# Altium PCB 0416.PcbDoc (part 1 of 3)
Units mm, origin at the board's own origin, x right, y up, seen from the top; angles counter-clockwise.
Board outline 152.4 x 49.85 mm, 4 copper layers (Top Layer, Signal Layer 2, Signal Layer 1, Bottom Layer), stack 0.778 mm thick; 259 components, 302 nets, 1185 pads, 479 vias.
Unrouted connection lines stored in the file: 71.
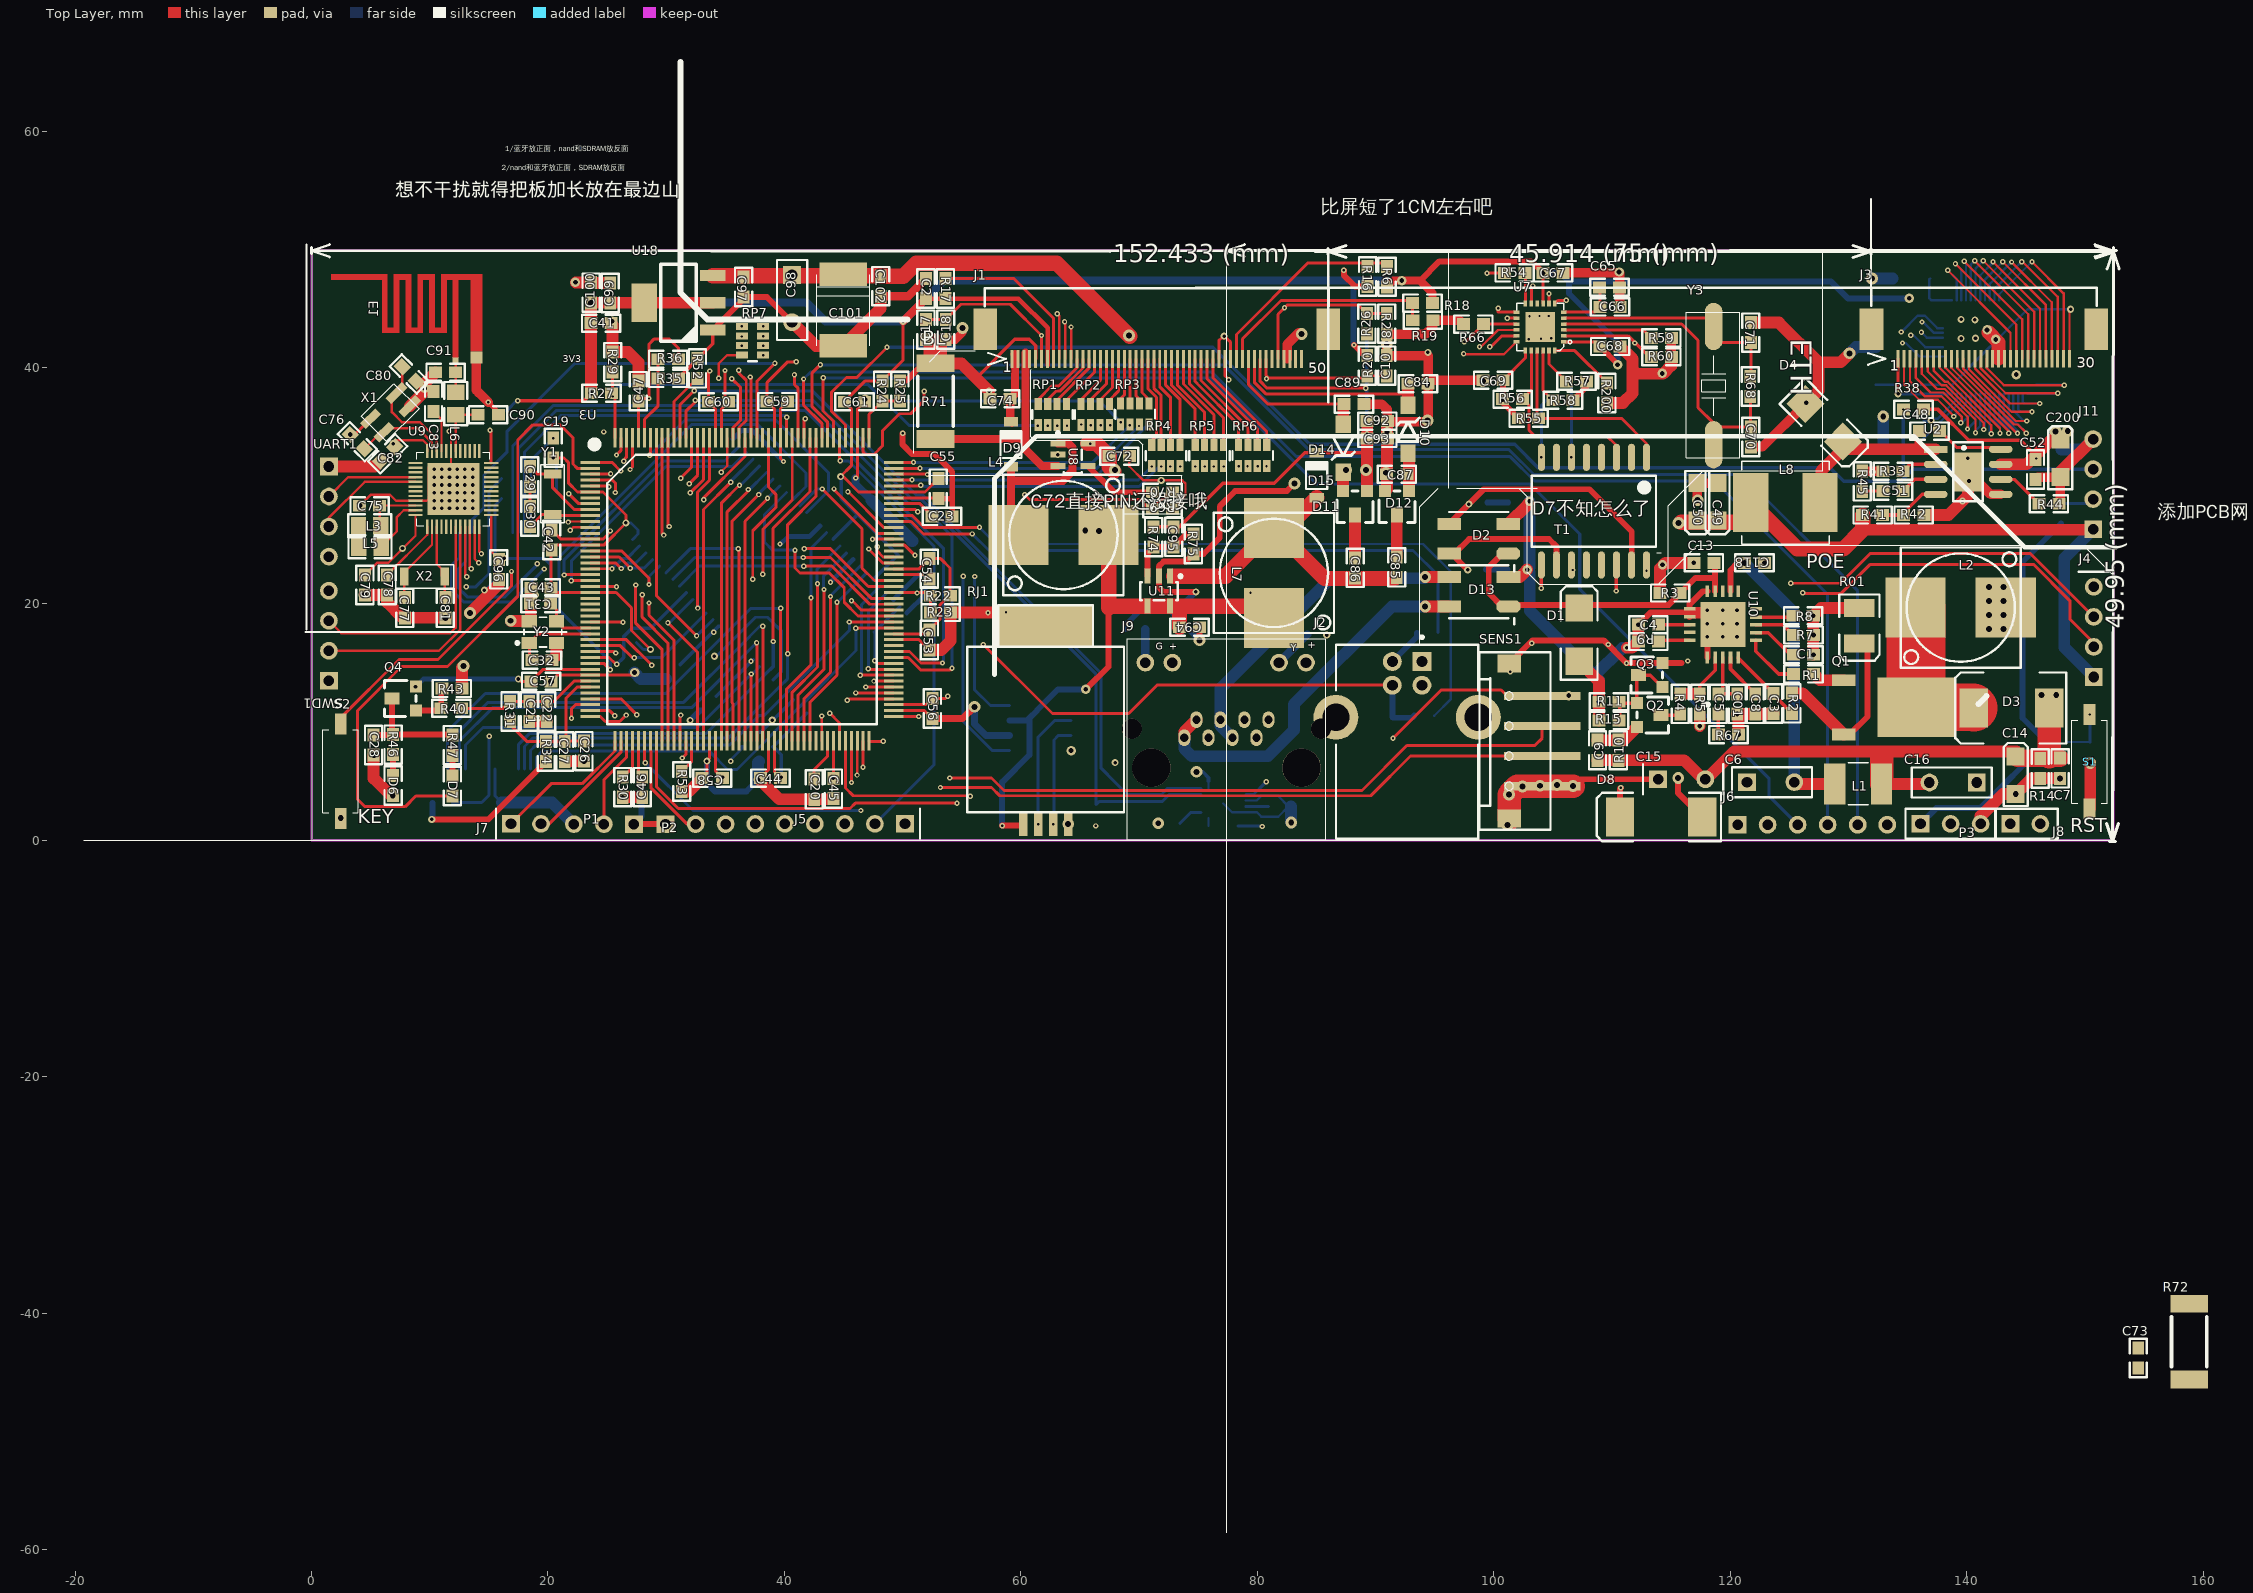
[diagram p0: Top Layer view]
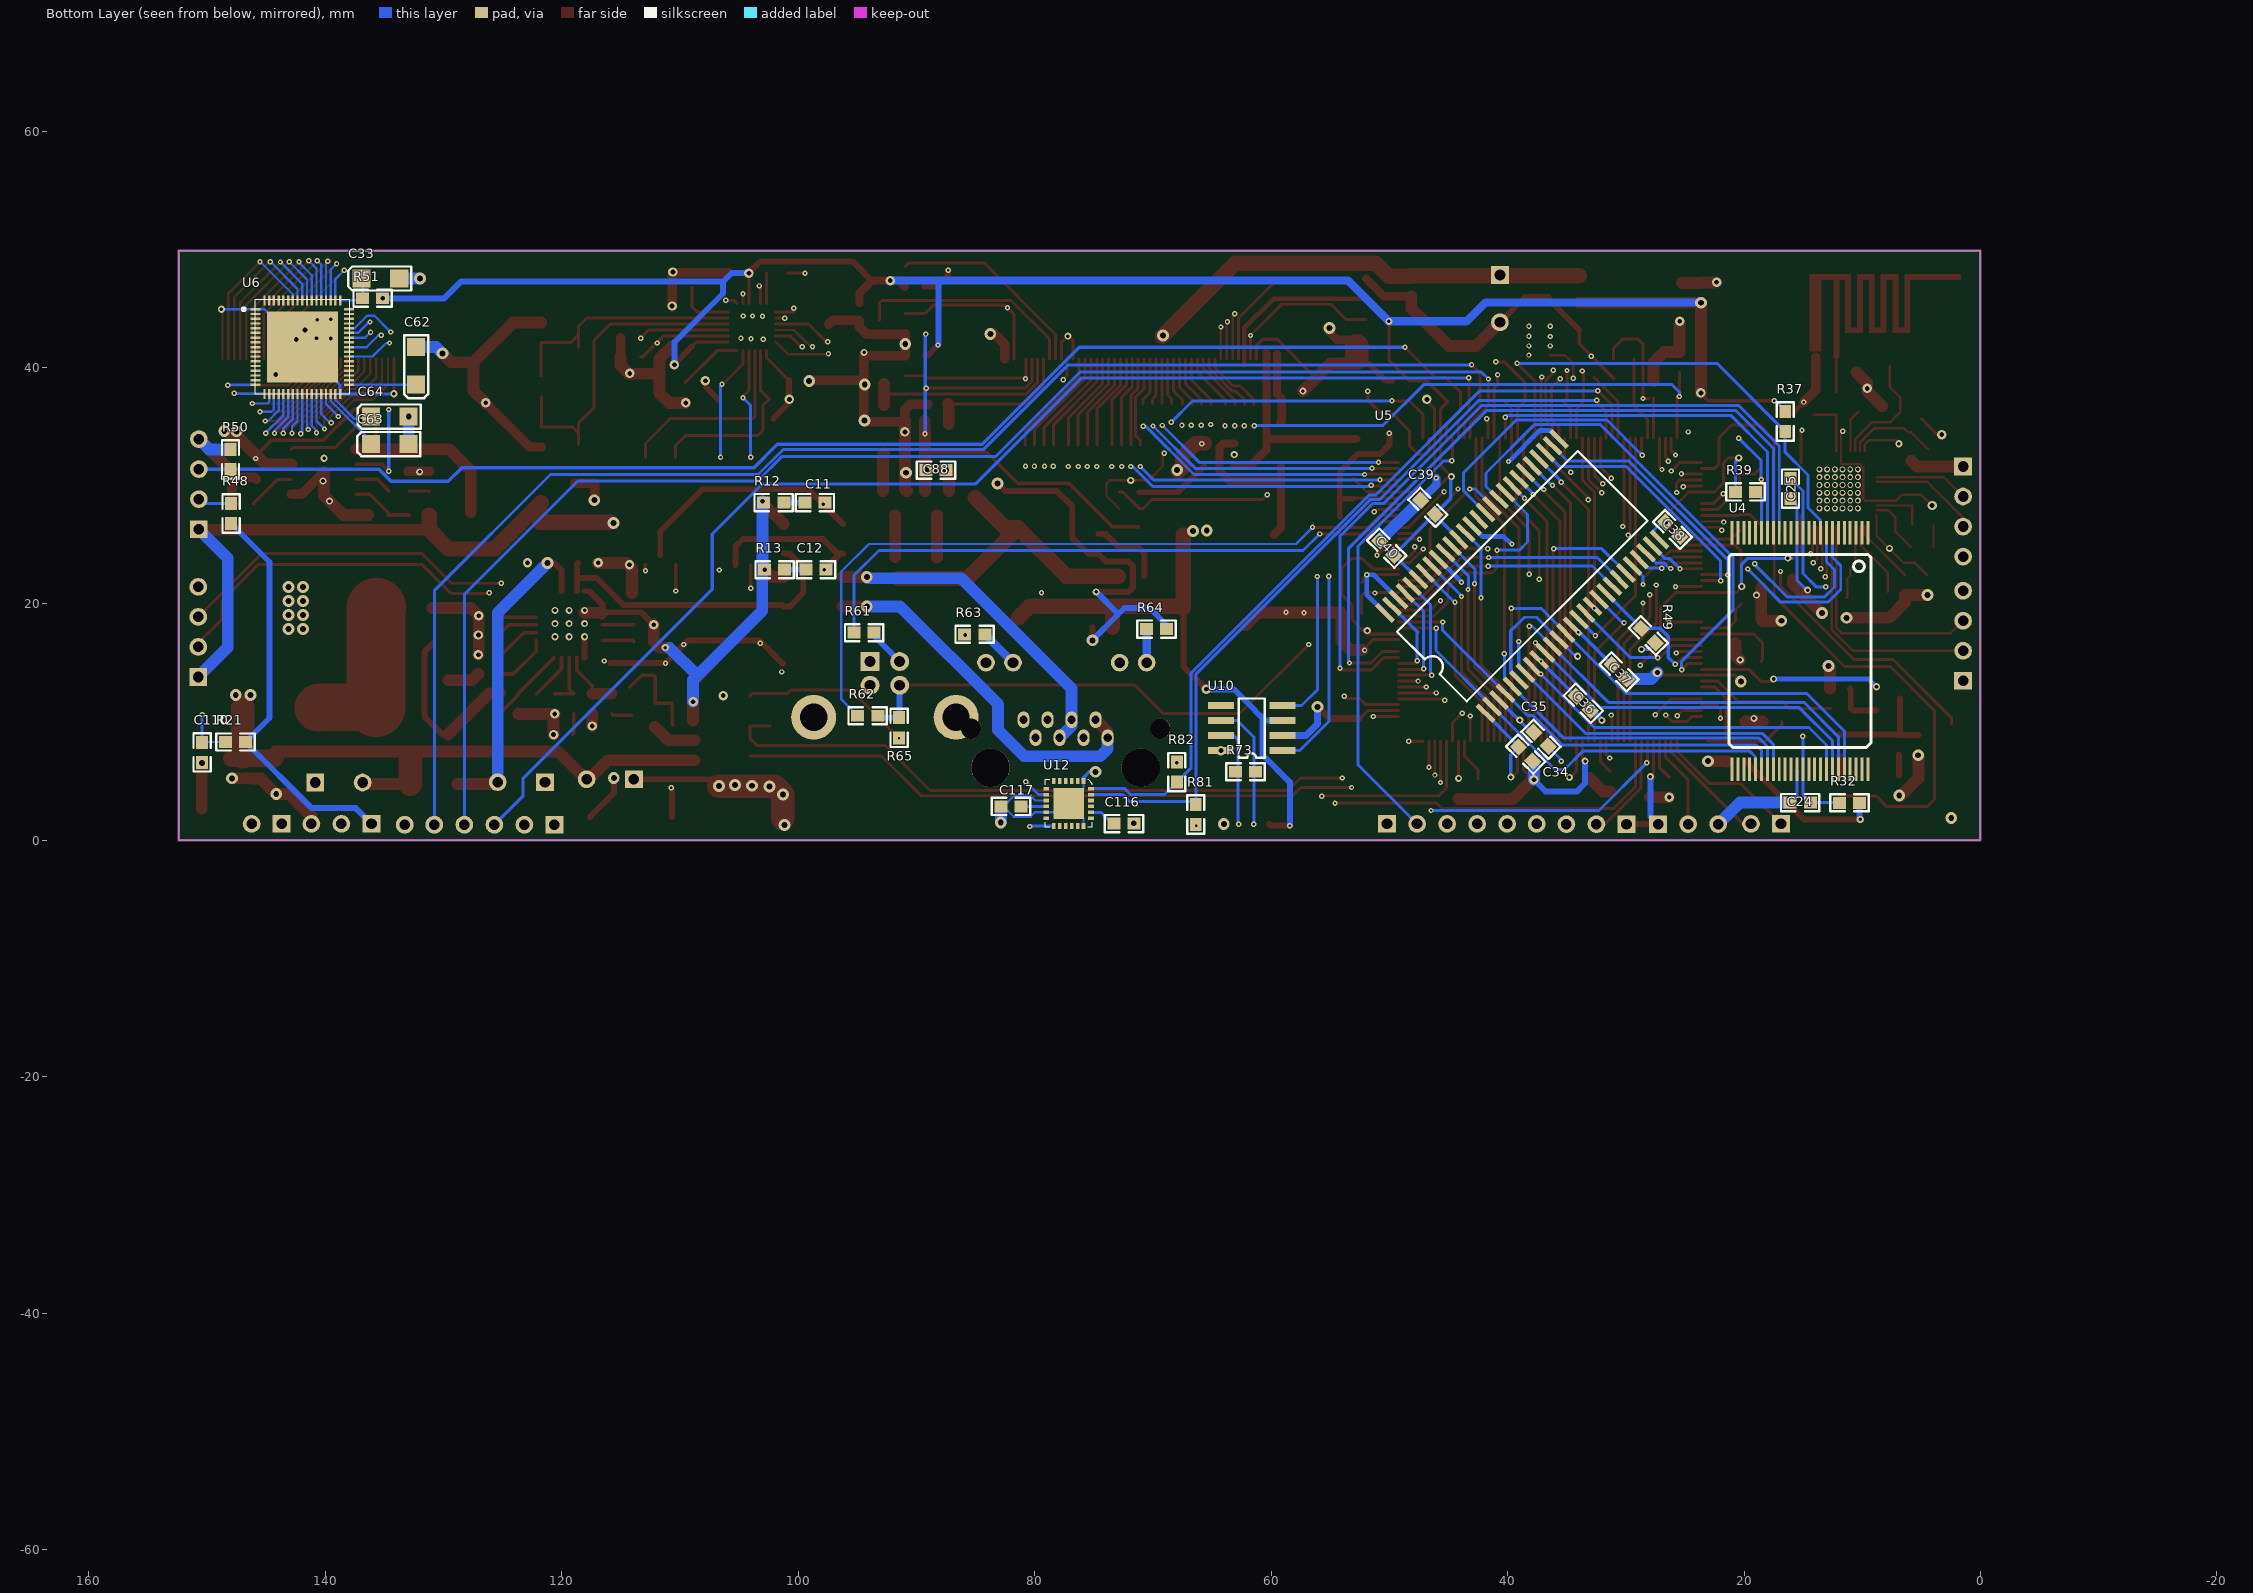
[diagram p1: Bottom Layer view, seen from below]
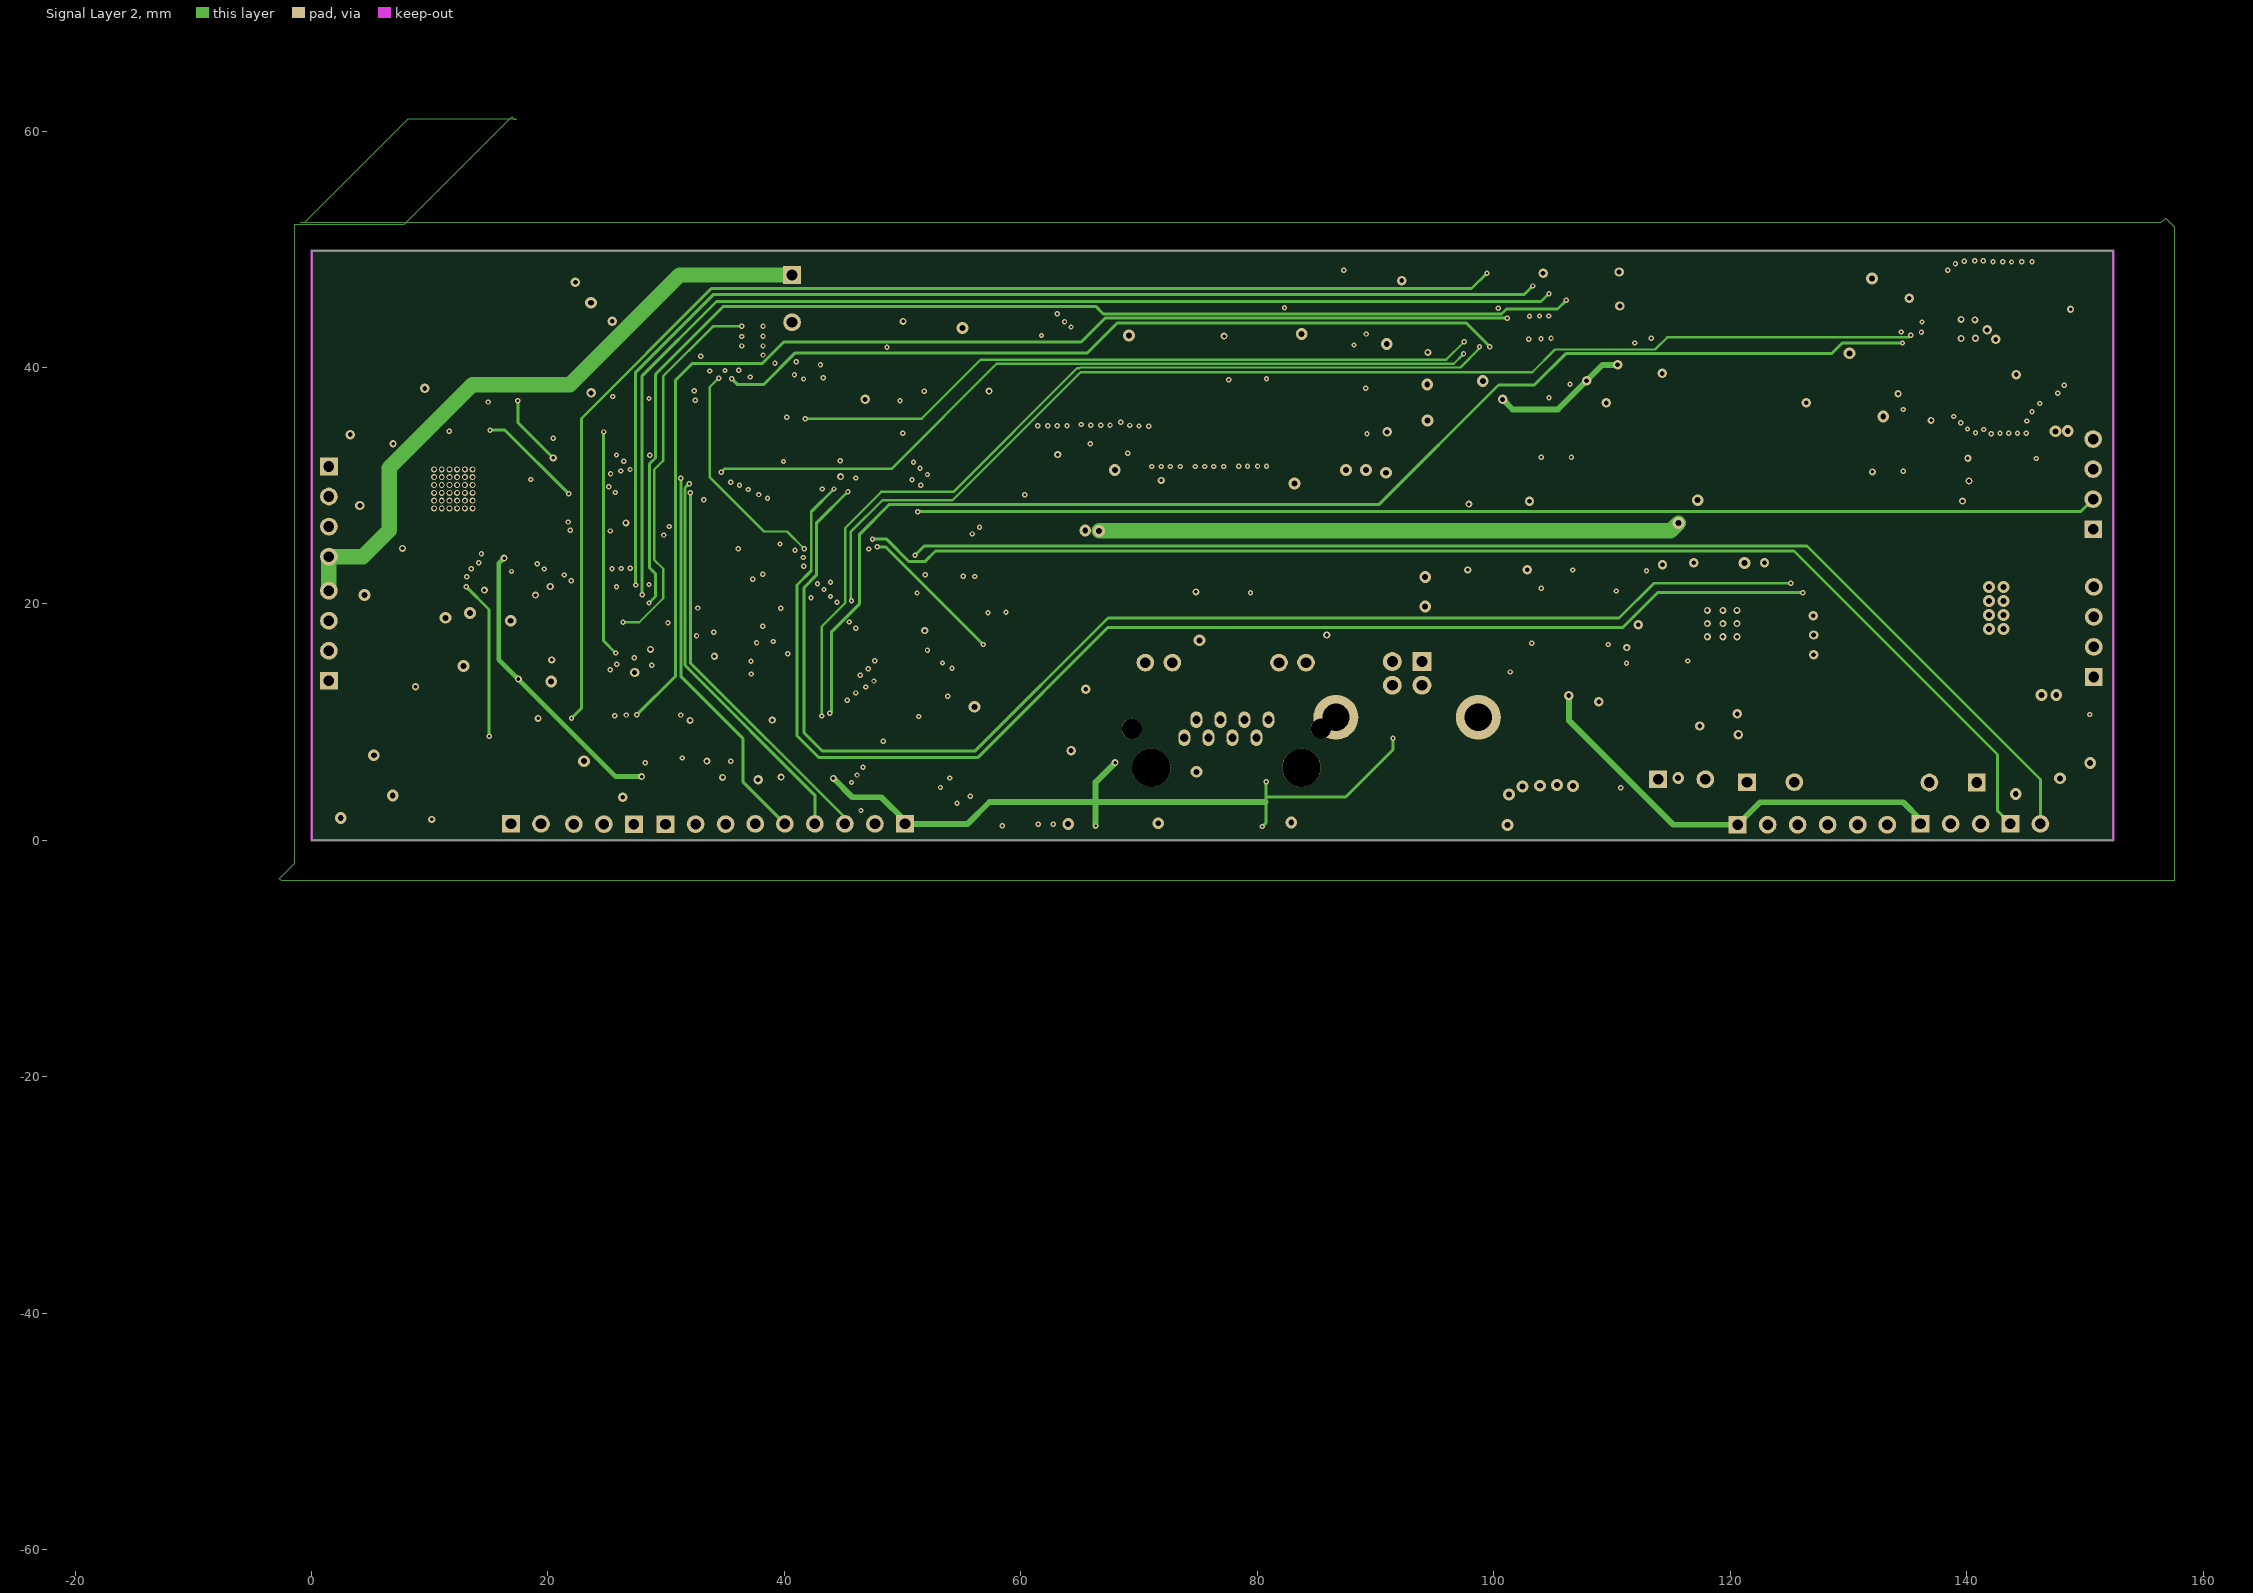
[diagram p2: Signal Layer 2]
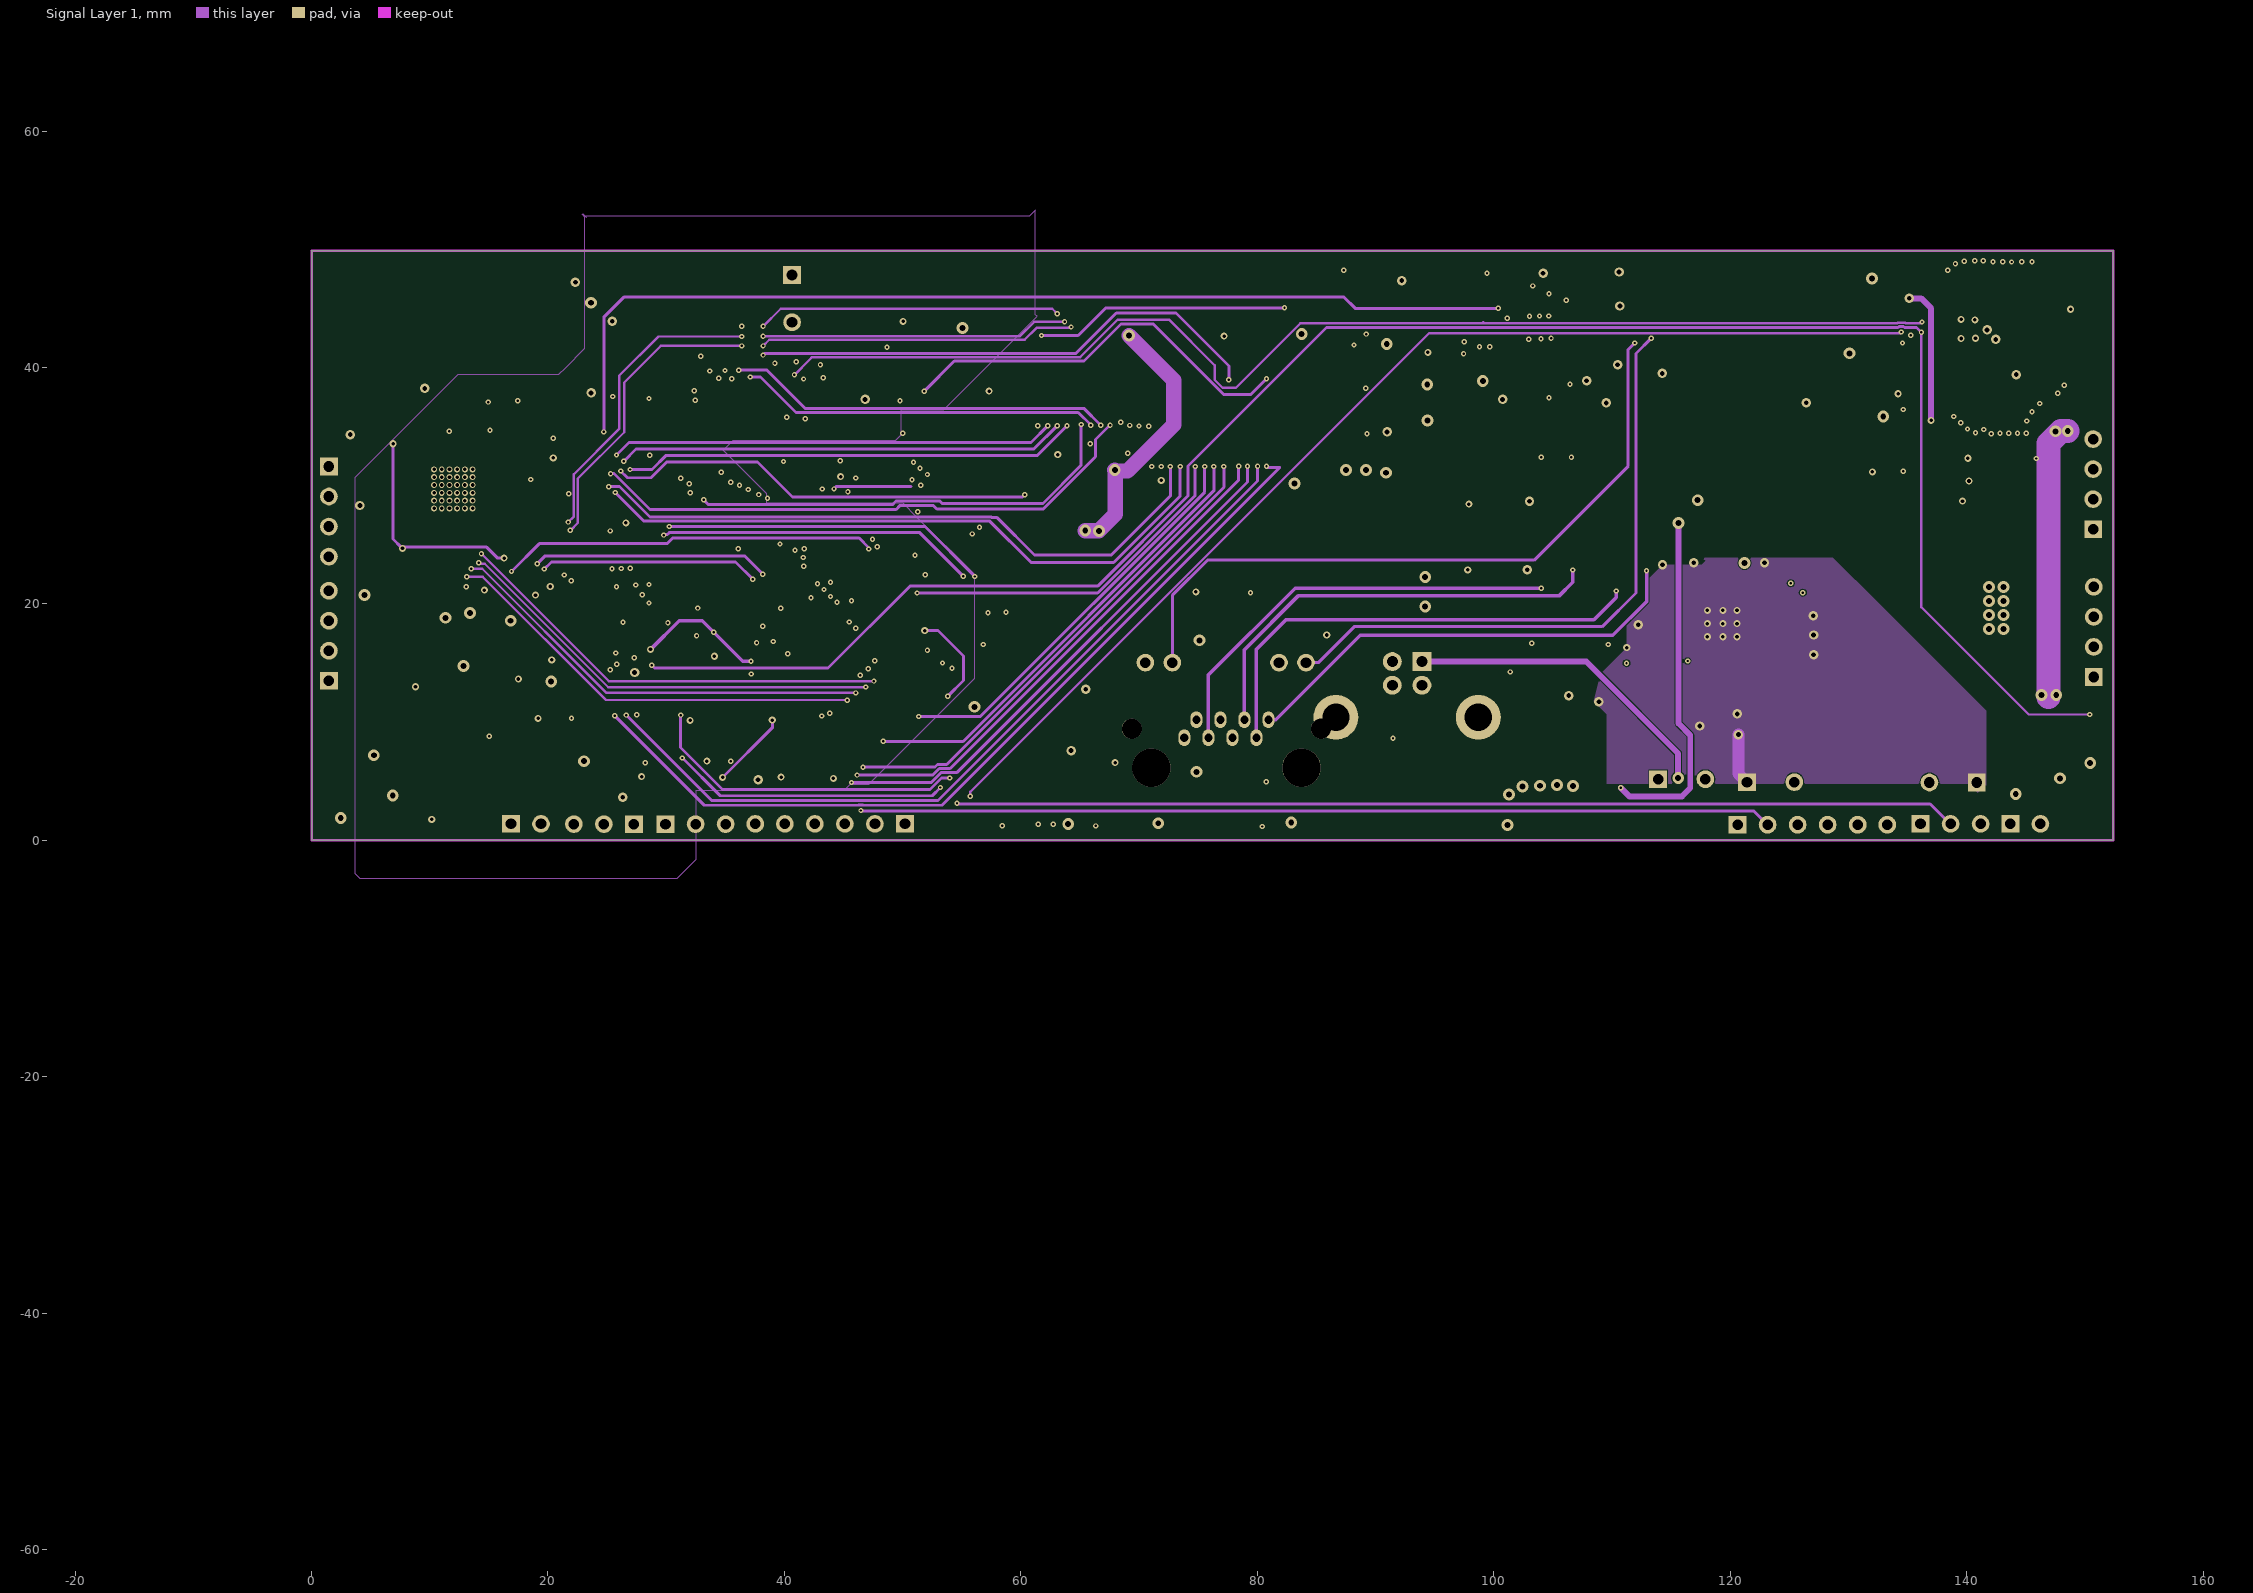
[diagram p3: Signal Layer 1]

## Layer stack, top to bottom
Top Solder: solder mask 0.0102, Solder Resist, Dk 3.5
Top Layer: signal copper 0.0356
Dielectric 1: core 0.254, FR-4, Dk 4.2
Signal Layer 2: signal copper 0.036
Dielectric 5: prepreg 0.127, Dk 4.2
Signal Layer 1: signal copper 0.036
Dielectric 4: core 0.254, Dk 4.2
Bottom Layer: signal copper 0.0356
Bottom Solder: solder mask 0.0102, Solder Resist, Dk 3.5

## Board outline
0.025,0.025 0.025,49.85 0,49.875 152.4,49.875 152.4,0.025

## Design rules (kind name [scope] priority, off if disabled: settings)
Clearance [All] p1: gap=0.102
ComponentClearance [All] p1: gap=0 collisioncheckmode=3 verticalgap=0 showdistances=FALSE
HoleSize [All] p1: absolutevalues=TRUE maxlimit=2 minlimit=0.2 maxpercent=80.000 minpercent=20.000
HoleToHoleClearance [All] p1: gap=0.508 allowstackedmicrovias=TRUE
MinimumSolderMaskSliver [All] p1: minsoldermaskwidth=0
PlaneConnect [All] p1: planeconnectstyle=Direct reliefexpansion=0.508 reliefentries=4 reliefconductorwidth=0.254 reliefairgap=0.254
PolygonConnect [All] p1: connectstyle=Direct reliefconductorwidth=0.254 reliefentries=4 polygonreliefangle="90 Angle" airgapwidth=0.254
RoutingVias [All] p1: holewidth=0.2 width=0.45 viastyle="Through Hole" minholewidth=0.2 minwidth=0.45 maxholewidth=2 maxwidth=3
SilkToSilkClearance [All] p1: silktosilkclearance=0
SilkToSolderMaskClearance [IsPad] p1: minsilkscreentomaskgap=0 clearancetoexposedcopper=TRUE
SolderMaskExpansion [All] p1: expansion=0.102
UnpouredPolygon [All] p1: allowunpoured=FALSE
Width [All] p1: maxlimit=25.4 minlimit=0.102 preferedwidth=0.203
22 further rules are at their usual default settings.

## Classes and differential pairs
component class POWER: C1 C01 C3 C4 C5 C6 C7 C8 C9 C11 C12 C13 C14 C15 C16 C48 C49 C50 C51 C52 C97 C98 C99 C100 C101 C102 C118 C200 D1 D2 D3 D4 D13 J9 L1 L2 L8 Q1 Q2 Q3 R1 R01 R2 R3 R4 R5 R7 R8 R9 R10 R11 R12 R13 R14 R15 R33 R38 R41 R42 R44 R45 R63 R64 R67 T1 U2 U10 U18
component class 407VS429: C2 C10 C17 C18 C19 C20 C21 C22 C23 C24 C25 C26 C27 C28 C29 C30 C31 C32 C33 C34 C35 C36 C37 C38 C39 C40 C41 C42 C43 C44 C45 C46 C47 C53 C54 C55 C56 C57 C58 C59 C60 C61 C62 C63 C64 C65 C66 C67 C68 C69 C70 C71 C72 C73 C74 C75 C76 C77 C78 C79 C80 C81 C82 C83 C84 C85 C86 C87 C88 C89 C90 C91 C92 C93 C94 C95 C96 C110 C116 C117 D6 D7 D8 D9 D10 D11 D12 D14 D15 E1 J1 J2 J3 J4 J5 J6 J7 J8 J11 L3 L4 L5 L6 L7 P1 P2 P3 Q4 R6 R16 R17 R18 R19 R20 R21 R22 R23 R24 R25 R26 R27 R28 R29 R30 R31 R32 R34 R35 R36 R37 R39 R40 R43 R46 R47 R48 R49 R50 R51 R52 R53 R54 R55 R56 R57 R58 R59 R60 R61 R62 R65 R66 R68 R69 R70 R71 R72 R73 R74 R75 R81 R82 R200 RJ1 RP1 RP2 RP3 RP4 RP5 RP6 RP7 S1 S2 SENS1 SWD1 U3 U4 U5 U6 U7 U9 U10 U11 U12 U18 UART1 X1 X2 Y1 Y2 Y3

## Components (designator, comment, footprint, x,y, rotation, side; value= is the part's Value field where it differs from the comment)
C1 "0.33UF" 0603T 125.35,15.7 r0 top
C01 "55PF" 0603T 120.6,12.4 r270 top
C2 "104" 0603T 51.975,47.525 r270 top
C3 "27PF" 0603T 123.675,12.425 r270 top
C4 "104" 0603T 113.925,18.25 r180 top
C5 "20PF" 0603T 119,12.4 r270 top
C6 "22UF/63V" CAP-SIP 121.425,4.925 r0 top
C7 "2K" 0603T 147.9,5.25 r90 top
C8 "180NF" 0603T 122.125,12.4 r270 top
C9 "104NC" 0603T 108.775,6.775 r90 top
C10 "104" 0603T 90.95,41 r270 top
C11 "104" 0603T 99.45,28.575 r180 bottom
C12 "104" 0603T 99.35,22.9 r180 bottom
C13 "104" 0603T 118.625,23.475 r180 top
C14 "1NF" 1206 144.15,5.575 r90 top
C15 "100UF/16V" CAP-SIP 113.9,5.175 r0 top
C16 "22UF/63V" CAP-SIP 140.85,4.9 r180 top
C17 "105" 0603T 51.975,42.35 r90 top
C18 "104" 0603T 53.65,42.35 r90 top
C19 "104" 0603T 20.45,32.35 r90 top
C20 "225" 0603T 42.525,3.475 r90 top
C21 "104" 0603T 18.425,10.05 r90 top
C22 "225" 0603T 19.9,10.05 r90 top
C23 "225" 0603T 54.175,27.4 r180 top
C24 "104" 0603T 16.1,3.2 r180 bottom
C25 "104" 0603T 16.075,28.9 r90 bottom
C26 "10uF" 0603T 23.05,6.7 r90 top
C27 "104" 0603T 21.425,6.675 r90 top
C28 "104" 0603T 5.25,7.225 r90 top
C29 "6PF" 0603T 18.475,31.625 r270 top
C30 "6PF" 0603T 18.475,26.55 r90 top
C31 "22PF" 0603T 20.225,20.025 r180 top
C32 "22PF" 0603T 20.35,15.25 r180 top
C33 "1uF/10V" 1206 135.4,47.525 r0 bottom
C34 "104" 0603T 37.875,6.7 r45 bottom
C35 "104" 0603T 36.575,7.95 r45 bottom
C36 "104" 0603T 33,11 r45 bottom
C37 "104" 0603T 29.975,13.65 r45 bottom
C38 "104" 0603T 25.45,25.7 r45 bottom
C39 "104" 0603T 47.35,28.775 r225 bottom
C40 "104" 0603T 50.825,25.325 r225 bottom
C41 "106" 0603T 23.65,43.75 r0 top
C42 "104" 0603T 20.325,26.25 r270 top
C43 "104" 0603T 18.55,21.375 r0 top
C44 "104" 0603T 37.975,5.275 r0 top
C45 "104" 0603T 44.15,3.525 r90 top
C46 "104" 0603T 27.975,3.65 r90 top
C47 "104" 0603T 27.65,38.85 r270 top
C48 "104" 0603T 137.7,34.625 r180 top
C49 "106" 1206 118.925,28.575 r270 top
C50 "104" 1206 117.225,28.575 r270 top
C51 "220P" 0603T 132.925,29.55 r0 top
C52 "104" 0603T 145.825,30.525 r90 top
C53 "104" 0603T 52.269,16.1 r90 top
C54 "104" 0603T 52.269,22.125 r90 top
C55 "104" 0603T 53.025,28.9 r90 top
C56 "104" 0603T 52.525,10.3 r90 top
C57 "104" 0603T 20.275,13.45 r180 top
C58 "104" 0603T 33.05,5.275 r0 top
C59 "104" 0603T 40.25,37.125 r180 top
C60 "104" 0603T 35.275,37.1 r180 top
C61 "104" 0603T 46.775,37.1 r180 top
C62 "1uF/10V" 1206 132.325,40.075 r270 bottom
C63 "1uF/10V" 1206 134.625,33.525 r0 bottom
C64 "1uF/10V" 1206 134.6,35.85 r0 bottom
C65 "104" 0603T 110.65,46.775 r180 top
C66 "106" 0603T 110.675,45.125 r180 top
C67 "104" 0603T 105.875,48 r180 top
C68 "104" 0603T 110.7,41.775 r180 top
C69 "104" 0603T 99.1,38.925 r0 top
C70 "22pF" 0603T 121.75,34.975 r270 top
C71 "22pF" 0603T 121.75,42.1 r90 top
C72 "106" 0603T 69.175,32.5 r180 top
C73 "105" 0603T 154.509,-44.623 r90 top
C74 "105" 0603T 57.4,37.35 r0 top
C75 "1.0uF" 0603T 4.075,28.3 r0 top
C76 "12pF" 0603T 4.475,33.125 r135 top
C77 "12pF" 0603T 7.9,20.525 r270 top
C78 "100nF" 0603T 6.4,22.45 r270 top
C79 "4.7uF" 0603T 4.525,22.45 r270 top
C80 "12pF" 0603T 7.675,40.05 r315 top
C81 "12pF" 0603T 11.325,20.525 r270 top
C82 "100nF" 0603T 7.05,33.3 r225 top
C83 "100pF" 0603T 10.325,36.275 r90 top